# Altium PCB HCMS-39XXTOP.PcbDoc
Units mil, origin at the board's own origin, x right, y up, seen from the top; angles counter-clockwise.
Board outline 3512.53 x 1291.23 mil, 2 copper layers (Top Layer, Bottom Layer); 33 components, 23 nets, 127 pads, 194 vias.
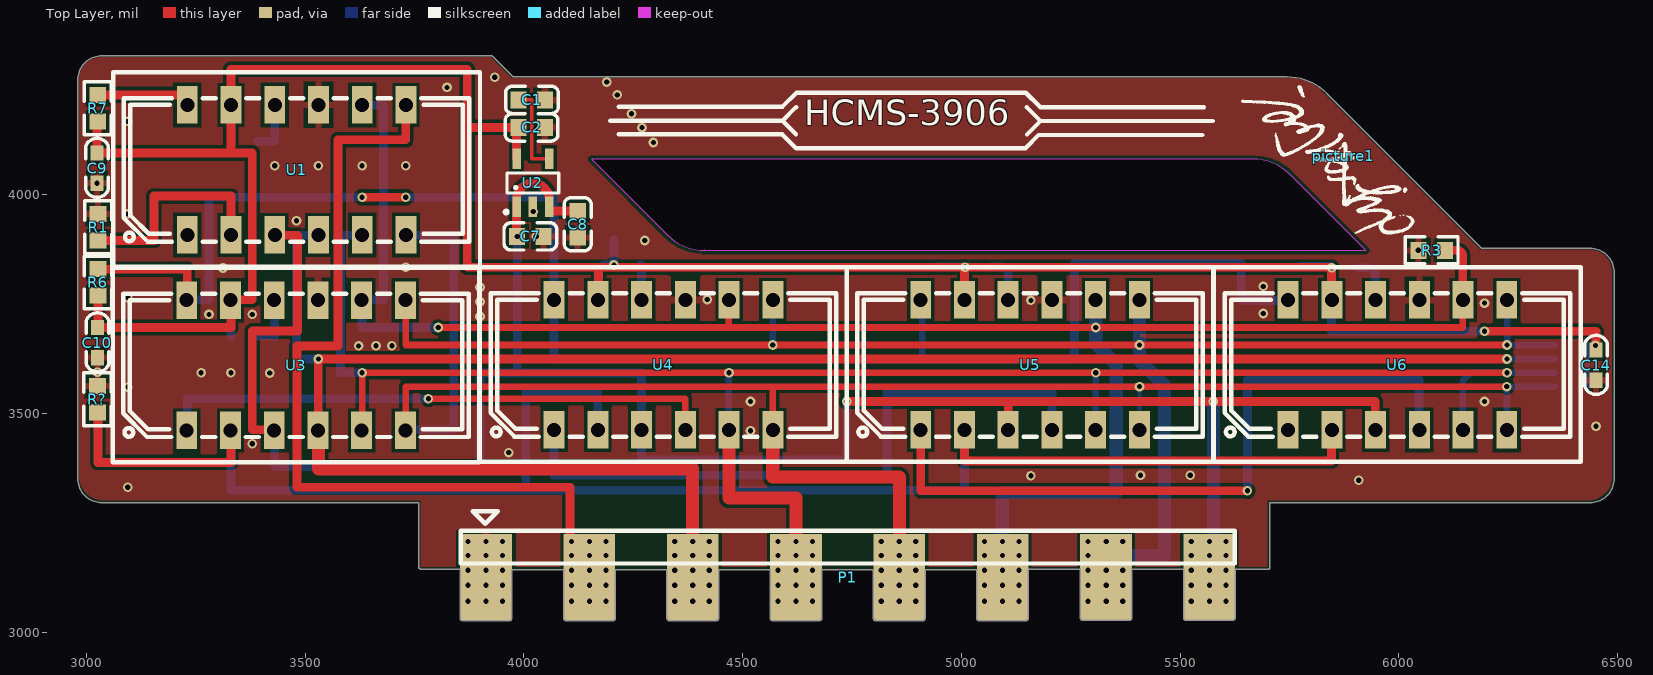
[diagram p0: Top Layer view]
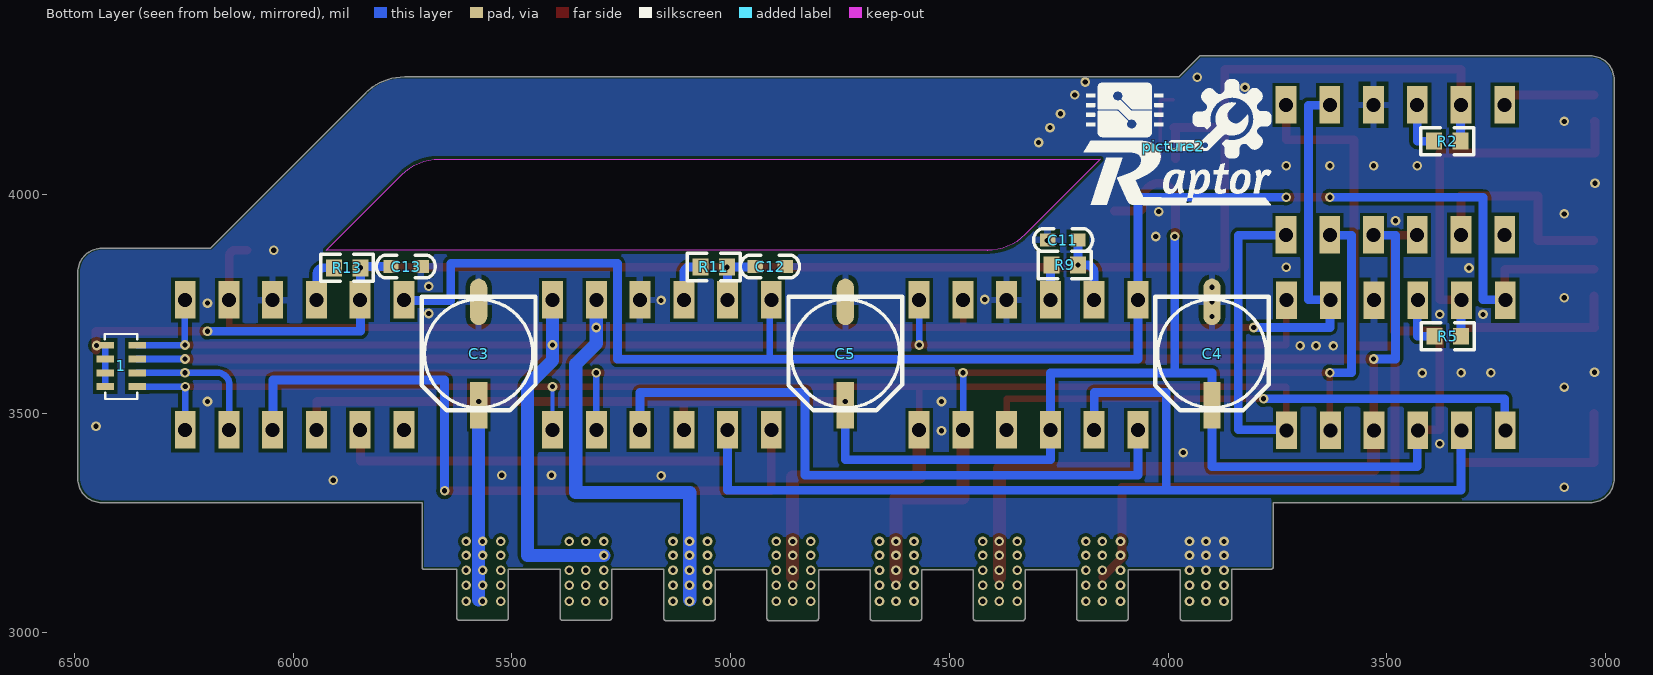
[diagram p1: Bottom Layer view, seen from below]
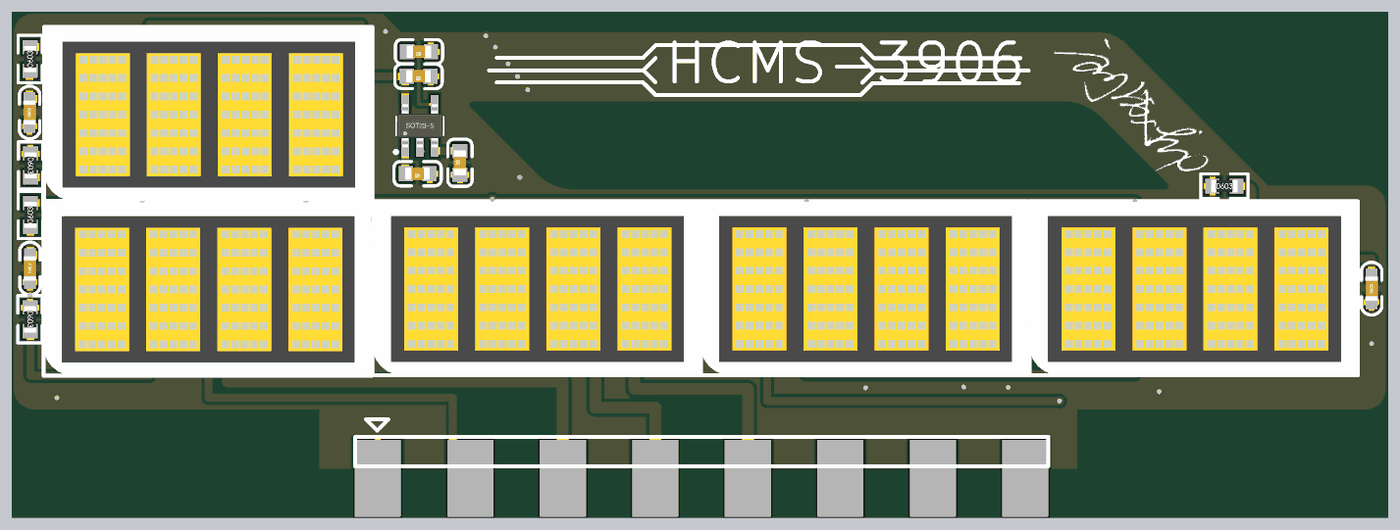
[diagram p2: 3D render of the assembled board from above, using the file's embedded part models]
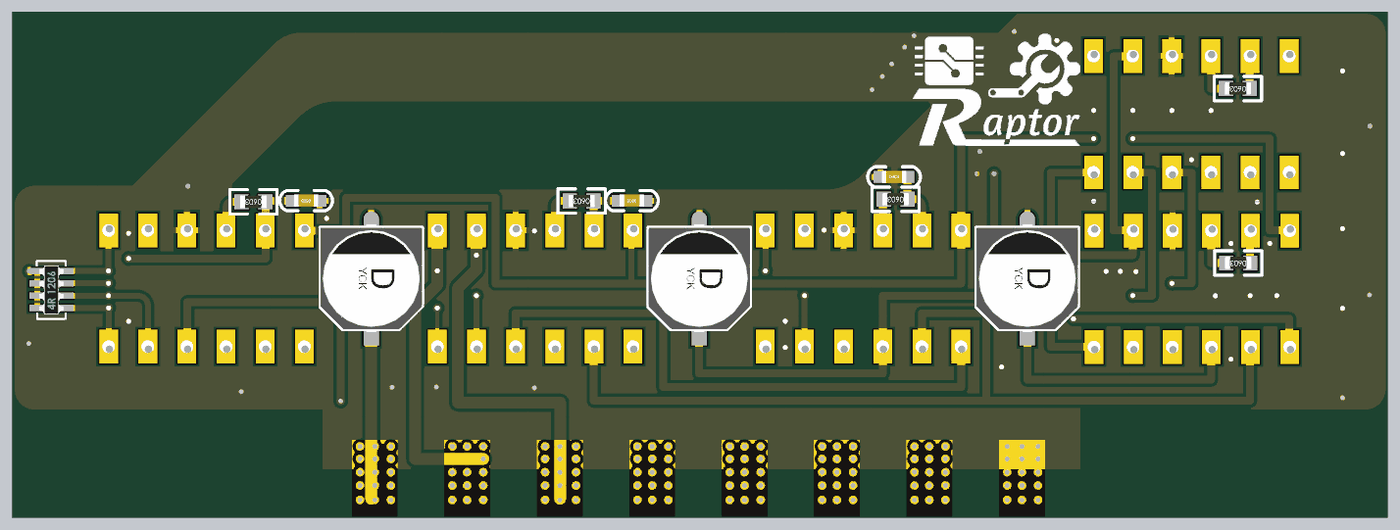
[diagram p3: 3D render of the assembled board from below, using the file's embedded part models]

## Layer stack, top to bottom
Top Solder: solder mask 0.4, Solder Resist, Dk 3.5
Top Layer: signal copper 1.4
Dielectric 1: dielectric 12.6, FR-4, Dk 4.8
Bottom Layer: signal copper 1.4
Bottom Solder: solder mask 0.4, Solder Resist, Dk 3.5

## Board outline
3859,3026.99 3967,3026.99 ccw(c3967,3032) 3972.01,3032 3972.01,3142.99 4090.99,3142.99 4090.99,3032 ccw(c4096,3032) 4096,3026.99 4204,3026.99 ccw(c4204,3032) 4209.02,3032 4209.02,3142.99 4326.98,3142.99 4326.98,3032 ccw(c4332,3032) 4332,3026.99 4440,3026.99 ccw(c4440,3032) 4445.02,3032 4445.02,3142.99 4562.98,3142.99 4562.98,3032 ccw(c4568,3032) 4568,3026.99 4676,3026.99 ccw(c4676,3032) 4681.02,3032 4681.02,3142.99 4798.98,3142.99 4798.98,3032 ccw(c4804,3032) 4804,3026.99 4912,3026.99 ccw(c4912,3032) 4917.02,3032 4917.02,3142.99 5034.98,3142.99 5034.98,3032 ccw(c5040,3032) 5040,3026.99 5148,3026.99 ccw(c5148,3032) 5153.02,3032 5153.02,3143.99 5271.98,3143.99 5271.98,3033 ccw(c5277,3033) 5277,3027.99 5385,3027.99 ccw(c5385,3033) 5390.02,3033 5390.02,3143.99 5507.98,3143.99 5507.98,3033 ccw(c5513,3033) 5513,3027.99 5621,3027.99 ccw(c5621,3033) 5626.02,3033 5626.02,3143.99 5700.5,3143.99 ccw(c5700.5,3149) 5705.52,3149 ccw(c5700.5,3149) 5705.51,3149.25 ccw(c5700.5,3149.5) 5705.52,3149.5 5705.52,3296.49 6437.5,3296.49 ccw(c6437.5,3351.5) 6492.52,3351.5 6492.52,3396.83 ccw(c6487.33,3396.83) 6492.35,3398.14 6492.35,3823.2 ccw(c6437.33,3823.2) 6437.33,3878.21 6189.38,3878.21 5834.4,4233.19 ccw(c5745.5,4144.29) 5745.5,4270.02 3975.41,4270.01 3928.68,4316.75 3928.7,4316.73 ccw(c3925.13,4313.2) 3925.13,4318.21 3881.33,4318.21 3068,4318.21 ccw(c3068,4313.2) 3067.9,4318.21 ccw(c3067.8,4313.2) 3067.8,4318.21 3035,4318.21 ccw(c3035,4263.2) 2979.99,4263.2 2979.99,3351.5 ccw(c3035,3351.5) 3035,3296.49 3084.5,3296.49 3059.75,3296.48 3759.49,3296.49 3759.49,3149.5 ccw(c3764.5,3149.5) 3764.5,3144.49 3853.99,3144.49 3853.99,3032 ccw(c3859,3032)
cut-out: 4327.98,3908.55 ccw(c4413.33,3993.91) 4413.33,3873.2 4412.5,3873.2 5924.74,3873.2 5924.74,3873.46 5751.56,4046.64 ccw(c5666.2,3961.29) 5666.2,4082 4155.5,4082 4155.02,4081.52

## Design rules (kind name [scope] priority, off if disabled: settings)
Clearance [All] p1: gap=8 ignorepadtopadclearanceinfootprint=TRUE
PolygonConnect [All] p1: thpad.connectstyle=Relief thpad.reliefconductorwidth=15 thpad.reliefentries=4 thpad.polygonreliefangle="90 Angle" thpad.airgapwidth=10 smdpad.connectstyle=Relief smdpad.reliefconductorwidth=15 smdpad.reliefentries=4 smdpad.polygonreliefangle="90 Angle" smdpad.airgapwidth=10 via.connectstyle=Direct via.reliefconductorwidth=10 via.reliefentries=4 via.polygonreliefangle="90 Angle" via.airgapwidth=10
RoutingVias [All] p1: holewidth=12 width=22 viastyle="Through Hole" minholewidth=12 minwidth=22 maxholewidth=28 maxwidth=50
SolderMaskExpansion [All] p1: expansion=4 istentingtop=FALSE
UnRoutedNet [All] p1: checkbadconnections=TRUE
Width [All] p1: maxlimit=50 minlimit=7 preferedwidth=10 minimp=50.000000 maximp=50.000000 favimp=50.000000
29 further rules are at their usual default settings.

## Components (designator, comment, footprint, x,y, rotation, side; value= is the part's Value field where it differs from the comment)
1 "RES4" 0603RES 6397.5,3612 r90 bottom
C1 "Cap" 0603C 4023,4216.5 r270 top value=2.2uf
C2 "Cap" 0603C 4022,4153.5 r270 top value=104
C3 "22uf" "CM D(6.3*7.7)" 5576,3637.5 r270 bottom
C4 "22uf" "CM D(6.3*7.7)" 3899.5,3637.5 r270 bottom
C5 "22uf" "CM D(6.3*7.7)" 4737.75,3637.5 r270 bottom
C7 "Cap" 0603C 4019.5,3904.5 r270 top value=104
C8 "Cap" 0603C 4122,3928.5 r180 top value=104
C9 "104" "C 0603" 3024,4062 r90 top
C10 "104" "C 0603" 3025,3663 r90 top
C11 "104" "C 0603" 4240,3897 r180 bottom
C12 "104" "C 0603" 4910,3836.5 r0 bottom
C13 "104" "C 0603" 5742.5,3836.5 r0 bottom
C14 "104" "C 0603" 6451,3611.5 r90 top
P1 "Header 8" connect-8p 4737,3196 r0 top
picture1 "图标" LCL-TOM 5873,4090 r315 top
picture2 "图标" Raptor 3988,4111.5 r180 bottom
R1 "0R" 0603R 3025.5,3927.5 r180 top
R2 "10K" 0603R 3360.5,4124 r90 bottom
R3 "10K" 0603R 6074,3872.5 r270 top
R5 "10K" 0603R 3359.5,3678 r90 bottom
R6 "10K" 0603R 3027,3799 r0 top
R7 "10K" 0603R 3026.5,4197.5 r0 top
R9 "10K" 0603R 4235,3841 r90 bottom
R11 "10K" 0603R 5037.5,3836.5 r90 bottom
R13 "10K" 0603R 5876,3834.5 r90 bottom
R? "10K" 0603R 3024,3534 r180 top
U1 "HCMS-39XX" HCMS-39XX 3457,4066 r0 top
U2 "SPX3819" SOT23-5N 4020.5,4028 r0 top
U3 "HCMS-39XX" HCMS-39XX 3455.7,3619.2 r0 top
U4 "HCMS-39XX" HCMS-39XX 4295.7,3620.2 r0 top
U5 "HCMS-39XX" HCMS-39XX 5133.7,3620.2 r0 top
U6 "HCMS-39XX" HCMS-39XX 5973.7,3620.2 r0 top

## Footprints (in the part's own frame and the unit in brackets; to place one, negate y for a bottom-side part, rotate by r counter-clockwise, add the part's x,y. Pads: shape width x height; smd on the part's side, far side on the other; paste and mask are expansions set on the pad)
0603C [mm]
  rect 0.98x0.93 smd: 1(-0.022,0.651) 2(-0.022,-0.889)
  silkscreen extent -0.81,-1.65 0.77,1.42, body extent -0.42,-0.92 0.38,0.68, height 0.3
0603R [mm]
  rect 0.98x0.93 smd: 1(-0.025,-0.744) 2(-0.025,0.796)
  silkscreen extent -0.82,-1.51 0.76,1.56, body extent -0.43,-0.82 0.37,0.88, height 0.56
0603RES [mm]
  rect 0.4x1 smd: 1(-1.272,-1.034) 2(-0.472,-1.034) 3(0.328,-1.034) 4(1.128,-1.034) 5(1.128,0.824) 6(0.328,0.824) 7(-0.472,0.824) 8(-1.272,0.824)
  silkscreen extent -1.98,-1.03 1.78,0.85, body extent -1.7,-0.9 1.5,0.7, height 0.59
"C 0603" [mil] "无极性贴片电容"
  rect 35x30 smd: 1(-35,0) 2(34,0)
  silkscreen extent -67,-26 67,26, body extent -31,-16 31,16, height 32
"CM D(6.3*7.7)" [mm] "贴片电解电容，直径6.3mm，高7.7mm"
  rect 2.7x1 smd: 1(3,0)
  oval 2.7x1 smd: 2(-3,0)
  silkscreen extent -3.3,-3.3 3.3,3.3, body extent -3.5,-3.3 3.5,3.3, height 7.7
connect-8p [mm]
  rect 3x5 smd: 1(-20.922,-1.763) 2(-14.922,-1.763) 3(-8.922,-1.763) 4(-2.922,-1.763) 5(3.078,-1.763) 6(9.078,-1.763) 7(15.078,-1.763) 8(21.078,-1.763)
  silkscreen extent -22.4,-0.98 22.56,2.05
HCMS-39XX [mil]
  rect 47.7x85.9 hole 32: 1(-226.7,-157.2) 2(-126.7,-157.2) 3(-26.7,-157.2) 4(73.3,-157.2) 5(173.3,-157.2) 6(273.3,-157.2) 7(273.3,140.2) 8(173.3,140.2) 9(73.3,140.2) 10(-26.7,140.2) 11(-126.7,140.2) 12(-226.7,140.2)
  silkscreen extent -396,-230 442,215, body extent -397,-231 440,214, height 215
LCL-TOM [mil]
  silkscreen extent -254,-106 224,49
Raptor [mil]
  silkscreen extent -204,-135 224,152
SOT23-5N [mm] "3x1.6x1.1mm(长宽高)"
  rect 0.5x1.2 smd: 1(-0.95,-1.4) 2(0,-1.4) 3(0.95,-1.4) 4(0.95,1.4) 5(-0.95,1.4)
  silkscreen extent -1.63,-1.78 1.5,0.56, body extent -1.5,-1.4 1.5,1.4, height 1.15

## Part data
C1 C2 C7 C8: "Polarized Capacitor (Radial)", Published=8-Jun-2000, Publisher="Altium Limited", Revision="July-2002: Re-released for DXP Platform."
C3 C4 C5: library part ELECTRO2
C9 C10 C11 C12 C13 C14: library part 0603C
P1: "Header, 8-Pin", LatestRevisionDate=17-Jul-2002, LatestRevisionNote="Re-released for DXP Platform.", Publisher="Altium Limited"
picture1 picture2: library part SP
R1: library part 0603r
R2 R3 R5 R6 R7 R9 R11 R13 R?: library part Res2, "Resistor", LatestRevisionDate=17-Jul-2002, LatestRevisionNote="Re-released for DXP Platform.", Published=8-Jun-2000, Publisher="Altium Limited"
U2: library part RT9193-33, "3.3V超低压差LDO"

## Via types
v1: diameter 22, hole 12, Top Layer to Bottom Layer, tented both sides, 194 vias

## Nets (pads, with @x,y where several pads share a name; then routed paths per layer and width w, separated by ;. In a path a pad name is that pad's centre, name@x,y a point inside that pad or via, vN(x,y) a via of type N, cw(c..) or ccw(c..) an arc to the next point about the centre after c; other vN are vias at no path point)
Dual1_Out: U3.1 U4.4 | length 1280.5
  Top Layer w15: v1(3781.5,3534) 4368.67,3534 U4.4@4368.67,3463.1
  Bottom Layer w20: U3.1@3230,3463.1 3230,3534 v1(3781.5,3534)
Dual2_Out: U4.1 U5.4 | length 1516.8
  Bottom Layer w20: U4.1@4068.67,3463.1 4068.67,3359.5 4830,3359.5 4830,3548.5 5207.33,3548.5 U5.4@5207.33,3463
Dual3_Out: U5.1 U6.4 | length 1646.8
  Top Layer w20: U5.1@4907.33,3463 4907.33,3324 v1(5654,3324)
  Bottom Layer w20: v1(5654,3324) 5654,3576.5 5653.5,3577 6046,3577 U6.4@6046,3461.6
Dual4_Out: U6.1
GND: C1.1 C2.1 C3.2 C4.2 C5.2 C7.1 C8.1 C9.1 C10.1 C11.1 C12.1 C13.1 C14.1 P1.1 R1.1 R3.1 R?.1 U1.9 U2.2 U3.9 U4.9 U5.9 U6.9
  other v1: 3872,3071 3913.23,3071 3951,3071 3872,3108 3913.23,3108 3951,3108 3872,3142 3913.23,3142 3951,3142 3872,3176 3913.23,3176 3951,3176 3872,3208 3913.23,3208 3951,3208 3094,3332 5908.31,3348 5159,3358 5523,3359 5409.53,3359.5 3965,3411 3379,3431 4518,3461.09 6451,3471 4518,3528 6196,3528 3094,3560.81 3261.85,3593.43 3330,3593.43 3419,3593 3025,3595 3622,3655 3661.85,3655.5 3698.15,3655.5 3899.5,3722.15 3280,3727 3379,3727 5690,3729 6196,3752.9 3899.5,3755.61 5159,3759 4419,3761 3094,3765 3899.5,3789.07 5690,3791 3312,3833 3730,3835 6044.69,3873.5 4276,3896 4028,3905 3480,3941 3094,3956.81 4021,3962 3024,4027 3430,4067 3530,4067 3630,4067 3730,4067 4296,4120 4270,4154 3094,4168.19 4246,4186 4213.1,4228.82 3824,4246 4189.03,4258.35 3933,4269
HCMS_BLK: P1.6 R3.2 U1.8 U3.8 U4.8 U5.8 U6.8 | length 4364.2
  Top Layer w15: v1(3804,3697) 4468.67,3697 ; U4.8@4468.67,3760.5 4468.67,3697 ; U6.8@6146,3759 6146,3697 v1(5307.33,3697) 4468.67,3697
  Top Layer w20: R3.2 6133,3873.5 cw(c6133,3860.5) 6146,3860.5 U6.8@6146,3759
  Bottom Layer w20: U1.8@3630,4205.4 3679,4205.4 3679,3760.5 3630,3760.5 3630,3697 v1(3804,3697)
  Bottom Layer w30: v1@5093.33,3074 5093.33,3108 5093.33,3142 5093.33,3176 5093.33,3208 5093.33,3320 5354.18,3320 5354.18,3613.48 5307.33,3660.33 v1(5307.33,3697) U5.8@5307.33,3760.4
  other v1: 5052.77,3071 5094,3071 5131.77,3071 5052.77,3108 5094,3108 5131.77,3108 5052.77,3142 5094,3142 5131.77,3142 5052.77,3176 5094,3176 5131.77,3176 5052.77,3208 5094,3208 5131.77,3208
HCMS_CE: 1.4 P1.7 U3.7 U4.7 U5.7 U6.7 | length 3718.7
  Top Layer w15: U3.7@3730,3760.5 3730,3657 v1(4568.67,3657) v1(5407.33,3657) v1(6247.5,3657)
  Bottom Layer w10: U6.7@6246,3759 cw(c6246,3757.5) U6.7@6247.5,3757.5
  Bottom Layer w15: v1(4568.67,3657) U4.7@4568.67,3760.5 ; v1@6247.5,3656.43 1.4 ; v1(6247.5,3657) U6.7@6247.5,3757.5
  Bottom Layer w30: v1(5289.77,3176) 5464,3176 5464,3564.67 5407.33,3621.33 v1(5407.33,3657) U5.7@5407.33,3760.4
  other v1: 5289.77,3071 5331,3071 5368.77,3071 5289.77,3108 5331,3108 5368.77,3108 5289.77,3142 5331,3142 5368.77,3142 5289.77,3208 5331,3208 5368.77,3208
HCMS_CEC: P1.2 U1.7 | length 1970.2
  Top Layer w20: U1.7@3730,4205.4 3730,4126 3575,4126 3575,3655 3481,3655 3481,3332 4105,3332 4105,3208 4105,3176 4105,3171.12 P1.2
  other v1: 4108.77,3071 4150,3071 4187.77,3071 4108.77,3108 4150,3108 4187.77,3108 4108.77,3142 4150,3142 4187.77,3142 4108.77,3176 4150,3176 4187.77,3176 4108.77,3208 4150,3208 4187.77,3208
HCMS_CLK: 1.1 P1.5 U1.6 U3.6 U4.6 U5.6 U6.6 | length 4314.3
  Top Layer w15: U3.6@3730,3463.1 3730,3562 4568.67,3562 ; U4.6@4568.67,3463.1 4568.67,3562 ; v1(6247,3562) 5407.33,3562 4568.67,3562
  Top Layer w30: U4.6@4568.67,3463.1 4568.67,3355 4858.18,3355 4858.18,3208 4858.18,3176 4858.18,3142 P1.5
  Bottom Layer w10: U5.6@5407.33,3463 v1(5407.33,3561.94)
  Bottom Layer w15: U6.6@6246,3461.6 6247,3462.6 v1(6247,3562) 6247.06,3561.94 1.1
  Bottom Layer w20: U3.6@3730,3463.1 3839.5,3463.1 3839.5,3908 U1.6@3730,3908
  other v1: 4816.77,3071 4858,3071 4895.77,3071 4816.77,3108 4858,3108 4895.77,3108 4816.77,3142 4858,3142 4895.77,3142 4816.77,3176 4858,3176 4895.77,3176 4816.77,3208 4858,3208 4895.77,3208
HCMS_DIN: 1.3 P1.3 U1.4 U3.4 | length 4564
  Top Layer w20: U3.4@3530,3463.1 v1(3530,3625) v1(6247.5,3625)
  Top Layer w30: U3.4@3530,3463.1 3530,3374 4385.74,3374 4385.74,3208 4385.74,3176 4385.74,3142 P1.3
  Bottom Layer w15: v1(6247.5,3625) 6356.78,3625 1.3
  Bottom Layer w20: v1(3530,3625) 3480,3625 3480,3908 U1.4@3530,3908
  other v1: 4344.77,3071 4386,3071 4423.77,3071 4344.77,3108 4386,3108 4423.77,3108 4344.77,3142 4386,3142 4423.77,3142 4344.77,3176 4386,3176 4423.77,3176 4344.77,3208 4386,3208 4423.77,3208
HCMS_OSC: R?.2 U3.2 U4.2 U5.2 U6.2 | length 3902.3
  Top Layer w20: R?.2@3026,3500.18 3026,3388.5 3330,3388.5 U3.2@3330,3463.1 ; U4.2@4168.67,3463.1 cw(c4168.67,3461.09) U4.2@4170.68,3461.09 ; U5.2@5007.33,3463 5007.33,3392 5846,3392 5846,3459.92 5846,3461.6 cw(c5846,3459.92) U6.2@5847.68,3459.92
  Bottom Layer w20: U3.2@3330,3463.1 3330,3325 4004,3325 ; U4.2@4168.67,3463.1 4168.67,3548.5 4004,3548.5 4004,3325 ; U5.2@5007.33,3463 5007.33,3325 4004,3325
HCMS_RES: R6.2 U3.12 U4.12 U5.12 U6.12 | length 3838.8
  Top Layer w20: R6.2 3230,3830.32 U3.12@3230,3760.5 ; v1(3630,3995.04) v1(3730,3995.04)
  Bottom Layer w15: U5.12@4907.33,3760.4 4910.85,3760.4 4910.85,3624.5
  Bottom Layer w20: U3.12@3230,3760.5 3280,3760.5 3280,3995.04 v1(3630,3995.04) ; v1(3730,3995.04) 4068.67,3995.04 4068.67,3760.5 4068.67,3624.5 4910.85,3624.5 5258.5,3624.5 5258.5,3844 5640,3844 5640,3759 U6.12@5746,3759
HCMS_RES_Single: R7.2 U1.12 | length 227.9
  Top Layer w20: R7.2 3230,4228.82 U1.12@3230,4205.4
HCMS_RS: 1.2 P1.4 U1.5 U3.5 U4.5 U5.5 U6.5 | length 4243
  Top Layer w15: U3.5@3630,3463.1 v1(3630,3593.43) v1(4468.67,3593.43) v1(5307.33,3593.43) v1(6247.5,3593.43)
  Top Layer w30: U4.5@4468.67,3463.1 4468.67,3307 4621.96,3307 P1.4
  Bottom Layer w15: U4.5@4468.67,3463.1 v1(4468.67,3593.43) ; U5.5@5307.33,3463 v1(5307.33,3593.43) ; U6.5@6146,3461.6 6146,3566.43 cw(c6173.01,3566.43) 6173.01,3593.43 v1(6247.5,3593.43) 1.2
  Bottom Layer w20: v1(3630,3593.43) 3580.5,3593.43 3580.5,3908 U1.5@3630,3908
  other v1: 4580.77,3071 4622,3071 4659.77,3071 4580.77,3108 4622,3108 4659.77,3108 4580.77,3142 4622,3142 4659.77,3142 4580.77,3176 4622,3176 4659.77,3176 4580.77,3208 4622,3208 4659.77,3208
HCMS_V: 1.5 1.6 1.7 1.8 C2.2 C9.2 C10.2 C11.2 C12.2 C13.2 C14.2 R2.1 R5.1 R6.1 R7.1 R9.1 R11.1 R13.1 U1.11 U2.5 U3.11 U4.11 U5.11 U6.11 | length 6265.1
  Top Layer w20: C10.2 C10.2@3026,3697 ; R7.1 3024,4168.19 C9.2 3330,4096 ; R6.1 C10.2@3026,3697 ; U2.5 3983.1,4150.46 cw(c3987,4150.46) C2.2 3983.1,4154.37 3870.5,4154.37 ; U4.11@4168.67,3760.5 4170.68,3760.5 4170.68,3835 ; U5.11@5007.33,3760.4 v1@5007.33,3835 ; U6.11@5846,3759 5846,3835 v1@5007.33,3835 ; v1(6196,3688.5) 6451,3688.5 C14.2 ; C10.2@3026,3697 3330,3697 3330,3760.5 3379,3760.5 3379,4096 3330,4096 ; 3330,4096 3330,4205.4 3330,4287.5 3870.5,4287.5 3870.5,4154.37 ; 3870.5,4154.37 3870.5,3835 4170.68,3835 ; 4170.68,3835 4205.69,3835 v1@5007.33,3835
  Bottom Layer w15: 1.8 1.7 1.6 1.5
  Bottom Layer w20: U3.11@3330,3760.5 3330.19,3760.5 R5.1 ; U1.11@3330,4205.4 3331.19,4205.4 R2.1 ; U4.11@4168.67,3760.5 4168.67,3821.5 cw(c4187.16,3821.5) 4187.16,3840 v1(4205.69,3840) 4205.69,3897 C11.2 ; C12.2 ccw(c4945,3836.5) 4945,3835.5 5007.33,3835.5 R11.1 ccw(c5008.19,3834.64) 5007.33,3834.64 U5.11@5007.33,3760.4 ; C13.2 5843.69,3836.5 cw(c5843.69,3833.5) v1(5846.69,3833.5) 5846,3833.5 5846,3759 5846,3688.5 v1(6196,3688.5)
  other v1: 6449.5,3656 5008.19,3834.64
NetC1_2: C1.2 U2.4 | length 204.1
  Top Layer w8: C1.2 4017.31,4217.37 4017.31,4083.12 U2.4
NetR1_2: R1.2 U1.2 | length 494.3
  Top Layer w20: R1.2 3154,3896.18 3154,3997.5 3330,3997.5 U1.2@3330,3908
NetR2_2: R2.2 U1.10 | length 120.6
  Bottom Layer w20: R2.2 3430,4123 U1.10@3430,4205.4
NetR5_2: R5.2 U3.10 | length 122.7
  Bottom Layer w20: R5.2 3430,3677 U3.10@3430,3760.5
NetR9_2: R9.2 U4.10 | length 80.8
  Bottom Layer w20: R9.2 cw(c4266.32,3837.65) 4268.67,3837.65 U4.10@4268.67,3760.5
NetR11_2: R11.2 U5.10 | length 107.6
  Bottom Layer w20: R11.2 5093.33,3835.5 cw(c5093.33,3821.5) 5107.33,3821.5 U5.10@5107.33,3760.4
NetR13_2: R13.2 U6.10 | length 107
  Bottom Layer w20: R13.2 5931.5,3833.5 cw(c5931.5,3819) 5946,3819 U6.10@5946,3759
VC5: C3.1 C4.1 C5.1 C7.2 C8.2 P1.8 U1.3 U2.1 U2.3 U3.3 U4.3 U5.3 U6.3 | length 4939.6
  Top Layer w20: U3.3@3430,3463.1 3379,3463.1 3379,3689 3482.5,3689 3482.5,3908 U1.3@3430,3908 ; v1(3984.5,3905.37) cw(c3984.5,3906.77) 3983.1,3906.77 U2.1 3983.1,3989.6 cw(c4020.5,3989.6) 4020.5,4027 cw(c4020.5,3989.6) 4057.9,3989.6 U2.3 ccw(c4067.28,3972.88) 4067.28,3963.5 C8.2 ; v1(4738,3528) 5107.33,3528 ; U5.3@5107.33,3463 5107.33,3528 ; U6.3@5946,3461.6 5946,3528 v1(5576,3528) 5107.33,3528
  Bottom Layer w20: U3.3@3430,3463.1 3430,3378.5 3899.5,3378.5 C4.1 ; C4.1@3899.5,3557.5 3899.5,3593 3984.5,3593 ; v1(3984.5,3905.37) 3984.5,3593 ; v1(4738,3528) 4738,3394.5 4268.67,3394.5 4268.67,3463.1 4268.67,3593 3984.5,3593
  Bottom Layer w30: v1@5576,3074 5576,3208 C3.1
  other v1: 5525.77,3071 5567,3071 5604.77,3071 5525.77,3108 5567,3108 5604.77,3108 5525.77,3142 5567,3142 5604.77,3142 5525.77,3176 5567,3176 5604.77,3176 5525.77,3208 5567,3208 5604.77,3208
pads on no net: U1.1

## Polygon pours and split planes (outlines as drawn)
GND on Bottom Layer "GND_L02_P005" (solid, remove dead copper, pour order 5): 3034,4314 ccw(c3034,4264) 2984,4264 2984,3355 ccw(c3037,3355) 3037,3302 3764,3302 3764,3150 5700,3150 5700,3302 6435,3302 ccw(c6435,3354) 6487,3354 6487,3824.46 ccw(c6437,3824.46) 6437,3874.46 6186.54,3874.46 5824.29,4236.71 ccw(c5753.58,4166) 5753.58,4266 3973,4266 3925,4314
no net on Bottom Layer "NONET_L02_P001" (solid, pour order 1): 6478,3297
no net on Bottom Layer "NONET_L02_P000" (solid, pour order 0): 2932.5,4435.5
GND on Top Layer "GND_L01_P006" (solid, remove dead copper, pour order 6): 3033.61,4314.5 ccw(c3033.61,4264.5) 2983.61,4264.5 2983.61,3355.5 ccw(c3036.61,3355.5) 3036.61,3302.5 3763.61,3302.5 3763.61,3150.5 5699.61,3150.5 5699.61,3302.5 6434.61,3302.5 ccw(c6434.61,3354.5) 6486.61,3354.5 6486.61,3824.97 ccw(c6436.61,3824.97) 6436.61,3874.97 6186.14,3874.97 5823.89,4237.21 ccw(c5753.18,4166.5) 5753.18,4266.5 3972.61,4266.5 3924.61,4314.5

## Other copper
Bottom Layer:
  region: 4190,3470
  region: 4190,3470

## Silkscreen, mask and mechanical layers (free items; w line width, h text height)
Top Overlay:
  lines w10: 4197.31,4169.72 4591.01,4169.72 ; 4216.74,4139 4590.2,4139 4622.19,4107.01 5146.59,4107.01 5176.58,4137 5550.85,4137 ; 4216.74,4202.01 4591.01,4202.01 4623,4234 5147.4,4234 5180.4,4201 5554.67,4201 ; 4621.82,4139.01 4591.01,4169.82 4622.19,4201 ; 5149.82,4200.28 5181,4169.1 5150.19,4138.29 ; 5181,4169 5574.7,4169
  text "HCMS-3906" at 4640.5,4140.5 h100
Bottom Solder:
  region: 5625.77,3225 5508.23,3225 5508.23,3028 5625.77,3028
  region: 5389.77,3225 5272.23,3225 5272.23,3028 5389.77,3028
  region: 5152.77,3225 5035.23,3225 5035.23,3028 5152.77,3028
  region: 4916.77,3225 4799.23,3225 4799.23,3028 4916.77,3028
  region: 4680.77,3225 4563.23,3225 4563.23,3028 4680.77,3028
  region: 4444.77,3225 4327.23,3225 4327.23,3028 4444.77,3028
  region: 4208.77,3225 4091.23,3225 4091.23,3028 4208.77,3028
  region: 3972,3225 3854.45,3225 3854.45,3028 3972,3028
Mechanical 1:
  lines w10: 3051.4,4313.2 3035,4313.2 ; 3059.75,3301.5 3764.5,3301.5 3764.5,3149.5 3859,3149.5 ; 3067.8,4313.2 3035,4313.2 ; 3068,4313.2 3881.33,4313.2 3925.13,4313.2 3973.33,4265 5745.5,4265 cw(c5745.5,4144.29) 5830.86,4229.64 6187.3,3873.2 6437.33,3873.2 cw(c6437.33,3823.2) 6487.33,3823.2 6487.33,3396.83 ; 3084.5,3301.5 3035,3301.5 cw(c3035,3351.5) 2985,3351.5 2985,4263.2 cw(c3035,4263.2) 3035,4313.2 ; 3859,3148 3859,3032 3967,3032 3967,3148 ; 3969,3148 4096,3148 4096,3032 4204,3032 4204,3148 ; 4155.02,4081.52 4327.98,3908.55 ccw(c4413.33,3993.91) 4413.33,3873.2 ; 4155.5,4082 5666.2,4082 cw(c5666.2,3961.29) 5751.55,4046.64 5924.74,3873.46 ccw(c5925,3873.73) 5925,3873.35 5925,3873.5 ; 4205,3148 4332,3148 4332,3032 4440,3032 4440,3148 ; 4412.5,3873.2 5924.74,3873.2 ; 4441,3148 4568,3148 4568,3032 4676,3032 4676,3148 ; 4677,3148 4804,3148 4804,3032 4912,3032 4912,3148 ; 4913,3148 5040,3148 5040,3032 5148,3032 5148,3148 ; 5150,3149 5277,3149 5277,3033 5385,3033 5385,3149 5386,3149 5513,3149 5513,3033 5621,3033 5621,3149 5700.5,3149 ; 5700.5,3149.5 5700.5,3301.5 6437,3301.5 6437.5,3301.5 ccw(c6437.5,3351.5) 6487.5,3351.5 6487.5,3396.83 ccw(c6487.33,3396.83) 6487.33,3397